# KiCad board HPM6E00FULLPORTRevB.kicad_pcb (continued)
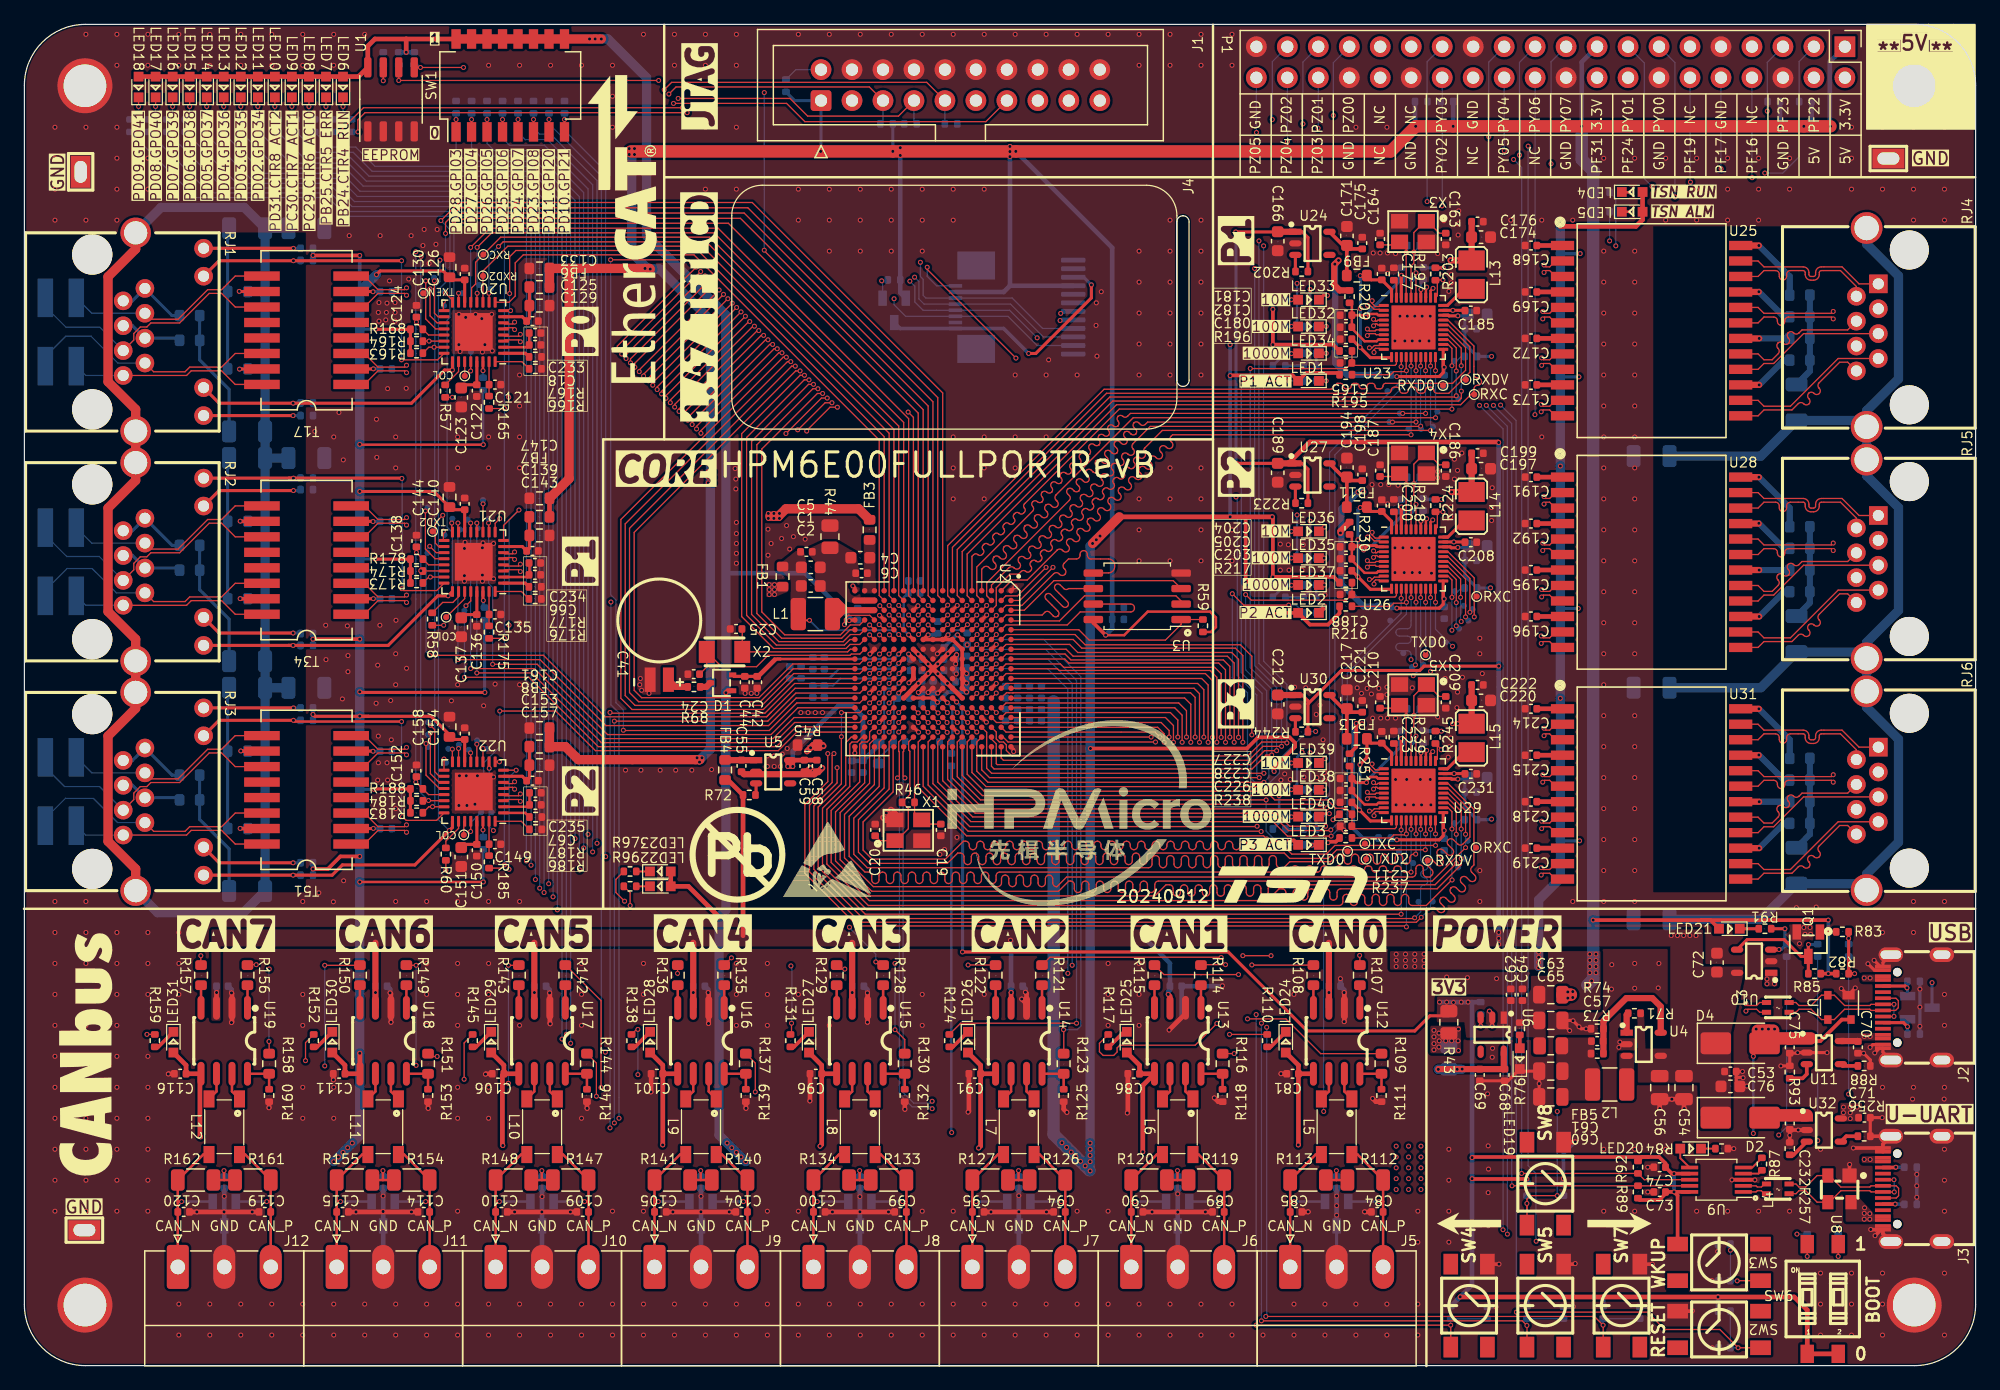
[diagram p0: board, top side]
## Routing (per net, layer and track width the routed paths; a pad name or vN(x,y) marks a point on that pad's centre or on a via; arc(x,y) is an arc through that point) (continued)
/HPM6E00 FULL PORT MAINENTRY/24-TSN-P1/MDI1N: length 18.8
  Top w0.102: v1(124.51,85.85) 124.66,86 125.07,86 125.55,85.52 U25.6 ; 111.61,85.35 110.99,85.35 110.9,85.43 110.78,85.43 v1(110.63,85.28)
  POWER3 w0.102: v1(110.63,85.28) 110.75,85.39 120.51,85.39 arc(120.92,85.56) 121.09,85.97 121.09,86.27 arc(121.17,86.47) 121.36,86.55 arc(121.56,86.47) 121.64,86.27 121.64,85.97 arc(121.81,85.56) 122.21,85.39 122.77,85.39 123.37,86 124.35,86 v1(124.51,85.85)
/HPM6E00 FULL PORT MAINENTRY/24-TSN-P1/MDI1P: length 18.8
  Top w0.102: U25.5 125.55,86.79 125.07,86.3 124.66,86.3 v1(124.51,86.46) ; v1(110.63,85.81) 110.78,85.66 110.9,85.66 110.99,85.75 111.61,85.75
  POWER3 w0.102: v1(110.63,85.81) 110.75,85.7 120.51,85.7 arc(120.71,85.78) 120.79,85.97 120.79,86.27 arc(120.96,86.68) 121.36,86.85 arc(121.77,86.68) 121.94,86.27 121.94,85.97 arc(122.02,85.78) 122.21,85.7 122.64,85.7 123.25,86.3 124.35,86.3 v1(124.51,86.46)
/HPM6E00 FULL PORT MAINENTRY/24-TSN-P1/MDI2N: length 18.8
  Top w0.102: v1(124.41,82.04) 124.57,82.19 125.07,82.19 125.55,81.71 U25.9 ; U23.7 110.85,84.55 110.76,84.63 110.28,84.63 v1(110.12,84.48)
  POWER3 w0.102: v1(124.41,82.04) 124.26,82.19 123.62,82.19 121.21,84.6 110.24,84.6 v1(110.12,84.48)
/HPM6E00 FULL PORT MAINENTRY/24-TSN-P1/MDI2P: length 18.8
  Top w0.102: v1(124.41,82.65) 124.57,82.49 125.07,82.49 125.55,82.98 U25.8 ; U23.6 110.85,84.95 110.76,84.86 110.28,84.86 v1(110.12,85.02)
  POWER3 w0.102: v1(124.41,82.65) 124.26,82.49 123.75,82.49 121.34,84.9 110.24,84.9 v1(110.12,85.02)
/HPM6E00 FULL PORT MAINENTRY/24-TSN-P1/MDI3N: length 18.9
  Top w0.102: v1(124.38,78.23) 124.53,78.38 125.07,78.38 125.55,77.9 ; v1(110.67,83.1) 110.67,83.31 110.79,83.43 111.1,83.43 111.18,83.35 U23.10
  POWER3 w0.102: v1(110.67,83.1) 110.74,83.17 118.91,83.17 121.07,81 arc(121.14,80.84) 121.07,80.67 arc(121,80.51) 121.07,80.34 121.16,80.25 arc(121.33,80.18) 121.5,80.25 arc(121.66,80.32) 121.83,80.25 123.7,78.38 124.23,78.38 v1(124.38,78.23)
/HPM6E00 FULL PORT MAINENTRY/24-TSN-P1/MDI3P: length 19.4
  Top w0.102: v1(110.29,83.47) 110.51,83.47 110.7,83.66 111.1,83.66 111.18,83.75 U23.9 ; v1(124.38,78.84) 124.53,78.68 125.07,78.68 125.55,79.17 U25.11
  POWER3 w0.102: v1(124.38,78.84) 124.23,78.68 123.82,78.68 119.03,83.47 v1(110.29,83.47)
/HPM6E00 FULL PORT MAINENTRY/24-TSN-P1/REGOUT: length 2.9
  Top w0.254: 118.67,88.23 117.98,88.23 116.69,86.95 U23.30
/HPM6E00 FULL PORT MAINENTRY/25-TSN-P2/G1_DA+: length 13.1
  Top w0.102: RJ5.1 150.44,69.72 149.04,71.12 147.35,71.12 arc(147.02,70.98) 146.88,70.65 146.88,70.49 arc(146.83,70.38) 146.71,70.33 146.5,70.33 arc(146.38,70.38) 146.33,70.49 146.33,70.65 arc(146.19,70.98) 145.86,71.12 142.64,71.12 142.16,71.6 U28.23
/HPM6E00 FULL PORT MAINENTRY/25-TSN-P2/G1_DA-: length 13.1
  Top w0.102: U28.22 142.16,70.33 142.64,70.81 143.6,70.81 arc(143.81,70.72) 143.9,70.51 143.9,70.34 arc(143.99,70.13) 144.2,70.04 arc(144.41,70.13) 144.5,70.34 144.5,70.51 arc(144.59,70.72) 144.8,70.81 145.86,70.81 arc(145.98,70.76) 146.03,70.65 146.03,70.49 arc(146.17,70.16) 146.5,70.02 146.71,70.02 arc(147.04,70.16) 147.18,70.49 147.18,70.65 arc(147.23,70.76) 147.35,70.81 148.92,70.81 150.22,69.51 RJ5.2
/HPM6E00 FULL PORT MAINENTRY/25-TSN-P2/G1_DB+: length 11.6
  Top w0.102: U28.20 142.16,67.79 142.64,67.31 148.17,67.31 v1(148.33,67.46)
  POWER3 w0.102: RJ5.3 148.55,67.68 v1(148.33,67.46)
/HPM6E00 FULL PORT MAINENTRY/25-TSN-P2/G1_DB-: length 11.7
  Top w0.102: U28.19 142.16,66.52 142.64,67 143.45,67 arc(143.66,66.91) 143.75,66.7 143.75,66.63 arc(143.84,66.42) 144.05,66.33 arc(144.26,66.42) 144.35,66.63 144.35,66.7 arc(144.44,66.91) 144.65,67 148.17,67 v1(148.33,66.85)
  POWER3 w0.102: RJ5.6 150.22,64.95 148.33,66.85 v1(148.33,66.85)
/HPM6E00 FULL PORT MAINENTRY/25-TSN-P2/G1_DC+: length 12.5
  Top w0.102: U28.17 142.16,63.98 142.64,63.5 143.31,63.5 143.81,63.99 arc(143.9,64.21) 143.81,64.42 143.79,64.44 arc(143.7,64.65) 143.79,64.87 arc(144,64.95) 144.21,64.87 144.24,64.84 arc(144.45,64.76) 144.66,64.84 arc(144.75,65.06) 144.66,65.27 144.64,65.29 arc(144.55,65.5) 144.64,65.72 arc(144.85,65.8) 145.06,65.72 145.08,65.69 arc(145.3,65.6) 145.51,65.69 145.76,65.95 149.51,65.95 RJ5.4
/HPM6E00 FULL PORT MAINENTRY/25-TSN-P2/G1_DC-: length 12.5
  Top w0.102: U28.16 142.16,62.71 142.64,63.19 143.44,63.19 145.89,65.64 RJ5.5
/HPM6E00 FULL PORT MAINENTRY/25-TSN-P2/G1_DD+: length 13.1
  Top w0.102: RJ5.7 148.73,63.6 144.81,59.69 142.64,59.69 142.16,60.17 U28.14
/HPM6E00 FULL PORT MAINENTRY/25-TSN-P2/G1_DD-: length 13.1
  Top w0.102: RJ5.8 149.51,63.3 148.85,63.3 147.16,61.6 arc(147.07,61.39) 147.16,61.18 147.18,61.15 arc(147.27,60.94) 147.18,60.73 arc(146.97,60.64) 146.76,60.73 146.73,60.75 arc(146.52,60.84) 146.31,60.75 arc(146.22,60.54) 146.31,60.33 146.33,60.31 arc(146.42,60.09) 146.33,59.88 arc(146.12,59.79) 145.91,59.88 145.89,59.91 arc(145.67,59.99) 145.46,59.91 144.94,59.38 142.64,59.38 142.16,58.9 U28.13
/HPM6E00 FULL PORT MAINENTRY/25-TSN-P2/LED0: length 10.6
  Top w0.203: v1(115.48,69.36) 115.31,69.18 U26.32 ; v1(106.62,68.78) 106.5,68.78 LED36.1
  POWER3 w0.203: v1(115.48,69.36) 114.9,68.78 v1(106.62,68.78)
/HPM6E00 FULL PORT MAINENTRY/25-TSN-P2/LED1: length 16.4
  Top w0.203: v1(114.99,69.46) 114.92,69.4 114.92,68.61 U26.33 ; LED35.2 103.91,66.22 v1(103.9,66.24)
  POWER3 w0.203: v1(114.99,69.46) 114.68,69.77 v1(104.36,69.77)
  Bottom w0.203: v1(104.36,69.77) 104.36,66.69 v1(103.9,66.24) 103.41,66.24 R221.1
/HPM6E00 FULL PORT MAINENTRY/25-TSN-P2/LED2: length 19.2
  Top w0.203: v1(114.52,69.26) 114.51,69.25 U26.34
  POWER3 w0.203: v1(105.43,69.26) v1(114.52,69.26)
  Bottom w0.203: v1(114.52,69.26) 114.52,69.83 114.71,70.02 ; R219.1 104.91,63.01 R228.2 ; v1(105.43,69.26) 105.43,63.54 104.89,63.01 104.31,63.01
/HPM6E00 FULL PORT MAINENTRY/25-TSN-P2/MDI0N: length 19
  Top w0.102: v1(124.61,70.66) 124.76,70.81 125.07,70.81 125.55,70.33 U28.3 ; U26.2 111.18,67.55 111.1,67.64 110.68,67.64 110.35,67.96 v1(110.14,67.96)
  POWER3 w0.102: v1(124.61,70.66) 124.46,70.81 123.25,70.81 120.4,67.96 v1(110.14,67.96)
/HPM6E00 FULL PORT MAINENTRY/25-TSN-P2/MDI0P: length 19
  Top w0.102: U28.2 125.55,71.6 125.07,71.12 124.76,71.12 v1(124.61,71.27) ; U26.1 111.18,67.95 111.1,67.87 110.77,67.87 110.52,68.12 v1(110.52,68.34)
  POWER3 w0.102: v1(110.52,68.34) 110.59,68.27 120.27,68.27 121.48,69.47 arc(121.55,69.64) 121.48,69.81 arc(121.41,69.97) 121.48,70.14 121.57,70.23 arc(121.74,70.3) 121.9,70.23 arc(122.07,70.16) 122.23,70.23 123.12,71.12 124.46,71.12 v1(124.61,71.27)
/HPM6E00 FULL PORT MAINENTRY/25-TSN-P2/MDI1N: length 18.8
  Top w0.102: 111.61,66.35 110.99,66.35 110.9,66.44 110.78,66.44 v1(110.63,66.28) ; v1(124.51,66.85) 124.66,67 125.07,67 125.55,66.52 U28.6
  POWER3 w0.102: v1(110.63,66.28) 110.75,66.4 120.51,66.4 arc(120.92,66.57) 121.09,66.98 121.09,67.28 arc(121.17,67.47) 121.36,67.55 arc(121.56,67.47) 121.64,67.28 121.64,66.98 arc(121.81,66.57) 122.21,66.4 122.77,66.4 123.37,67 124.35,67 v1(124.51,66.85)
/HPM6E00 FULL PORT MAINENTRY/25-TSN-P2/MDI1P: length 18.8
  Top w0.102: U28.5 125.55,67.79 125.07,67.31 124.66,67.31 v1(124.51,67.46) ; v1(110.63,66.82) 110.78,66.66 110.9,66.66 110.99,66.75 111.61,66.75
  POWER3 w0.102: v1(124.51,67.46) 124.35,67.31 123.25,67.31 122.64,66.7 122.21,66.7 arc(122.02,66.78) 121.94,66.98 121.94,67.28 arc(121.77,67.69) 121.36,67.85 arc(120.96,67.69) 120.79,67.28 120.79,66.98 arc(120.71,66.78) 120.51,66.7 110.75,66.7 v1(110.63,66.82)
/HPM6E00 FULL PORT MAINENTRY/25-TSN-P2/MDI2N: length 18.8
  Top w0.102: U26.7 110.85,65.55 110.76,65.64 110.28,65.64 v1(110.12,65.49) ; v1(124.41,63.04) 124.57,63.19 125.07,63.19 125.55,62.71 U28.9
  POWER3 w0.102: v1(124.41,63.04) 124.26,63.19 123.62,63.19 121.21,65.6 110.24,65.6 v1(110.12,65.49)
/HPM6E00 FULL PORT MAINENTRY/25-TSN-P2/MDI2P: length 18.8
  Top w0.102: v1(110.12,66.02) 110.28,65.87 110.76,65.87 110.85,65.95 U26.6 ; U28.8 125.55,63.98 125.07,63.5 124.57,63.5 v1(124.41,63.65)
  POWER3 w0.102: v1(124.41,63.65) 124.26,63.5 123.75,63.5 121.34,65.9 110.24,65.9 v1(110.12,66.02)
/HPM6E00 FULL PORT MAINENTRY/25-TSN-P2/MDI3N: length 18.9
  Top w0.102: 125.55,58.9 125.07,59.38 124.53,59.38 v1(124.38,59.23) ; v1(110.67,64.1) 110.67,64.32 110.79,64.44 111.1,64.44 111.18,64.35 U26.10
  POWER3 w0.102: v1(110.67,64.1) 110.74,64.17 118.91,64.17 121.07,62.01 arc(121.14,61.84) 121.07,61.68 arc(121,61.51) 121.07,61.34 121.16,61.25 arc(121.33,61.18) 121.5,61.25 arc(121.66,61.32) 121.83,61.25 123.7,59.38 124.23,59.38 v1(124.38,59.23)
/HPM6E00 FULL PORT MAINENTRY/25-TSN-P2/MDI3P: length 19.4
  Top w0.102: U28.11 125.55,60.17 125.07,59.69 124.53,59.69 v1(124.38,59.84) ; v1(110.29,64.48) 110.51,64.48 110.7,64.67 111.1,64.67 111.18,64.75 U26.9
  POWER3 w0.102: v1(110.29,64.48) 119.03,64.48 123.82,59.69 124.23,59.69 v1(124.38,59.84)
/HPM6E00 FULL PORT MAINENTRY/25-TSN-P2/REGOUT: length 2.9
  Top w0.254: L14.1 118.08,69.31 116.72,67.95 U26.30
/HPM6E00 FULL PORT MAINENTRY/26-TSN-P3/G1_DA+: length 13.1
  Top w0.102: U31.23 142.16,52.6 142.64,52.12 145.86,52.12 arc(146.19,51.98) 146.33,51.65 146.33,51.5 arc(146.38,51.38) 146.5,51.33 146.71,51.33 arc(146.83,51.38) 146.88,51.5 146.88,51.65 arc(147.02,51.98) 147.35,52.12 149.04,52.12 150.44,50.72 RJ6.1
/HPM6E00 FULL PORT MAINENTRY/26-TSN-P3/G1_DA-: length 13.1
  Top w0.102: RJ6.2 150.22,50.51 148.92,51.81 147.35,51.81 arc(147.23,51.77) 147.18,51.65 147.18,51.5 arc(147.04,51.16) 146.71,51.03 146.5,51.03 arc(146.17,51.16) 146.03,51.5 146.03,51.65 arc(145.98,51.77) 145.86,51.81 144.8,51.81 arc(144.59,51.73) 144.5,51.51 144.5,51.34 arc(144.41,51.13) 144.2,51.04 arc(143.99,51.13) 143.9,51.34 143.9,51.51 arc(143.81,51.73) 143.6,51.81 142.64,51.81 142.16,51.33 U31.22
/HPM6E00 FULL PORT MAINENTRY/26-TSN-P3/G1_DB+: length 11.6
  Top w0.102: U31.20 142.16,48.79 142.64,48.31 148.17,48.31 v1(148.33,48.46)
  POWER3 w0.102: RJ6.3 148.55,48.68 v1(148.33,48.46)
/HPM6E00 FULL PORT MAINENTRY/26-TSN-P3/G1_DB-: length 11.7
  Top w0.102: v1(148.33,47.85) 148.17,48 144.65,48 arc(144.44,47.92) 144.35,47.7 144.35,47.63 arc(144.26,47.42) 144.05,47.33 arc(143.84,47.42) 143.75,47.63 143.75,47.7 arc(143.66,47.92) 143.45,48 142.64,48 142.16,47.52 U31.19
  POWER3 w0.102: v1(148.33,47.85) 148.33,47.85 150.22,45.95 RJ6.6
/HPM6E00 FULL PORT MAINENTRY/26-TSN-P3/G1_DC+: length 12.5
  Top w0.102: RJ6.4 149.51,46.95 145.76,46.95 145.51,46.69 arc(145.3,46.6) 145.08,46.69 145.06,46.72 arc(144.85,46.8) 144.64,46.72 arc(144.55,46.5) 144.64,46.29 144.66,46.27 arc(144.75,46.06) 144.66,45.84 arc(144.45,45.76) 144.24,45.84 144.21,45.87 arc(144,45.96) 143.79,45.87 arc(143.7,45.66) 143.79,45.44 143.81,45.42 arc(143.9,45.21) 143.81,45 143.31,44.5 142.64,44.5 142.16,44.98 U31.17
/HPM6E00 FULL PORT MAINENTRY/26-TSN-P3/G1_DC-: length 12.5
  Top w0.102: U31.16 142.16,43.71 142.64,44.19 143.44,44.19 145.89,46.64 RJ6.5
/HPM6E00 FULL PORT MAINENTRY/26-TSN-P3/G1_DD+: length 13.1
  Top w0.102: RJ6.7 148.73,44.6 144.81,40.69 142.64,40.69 142.16,41.17 U31.14
/HPM6E00 FULL PORT MAINENTRY/26-TSN-P3/G1_DD-: length 13.1
  Top w0.102: U31.13 142.16,39.9 142.64,40.38 144.94,40.38 145.46,40.91 arc(145.67,40.99) 145.89,40.91 145.91,40.88 arc(146.12,40.79) 146.33,40.88 arc(146.42,41.09) 146.33,41.31 146.31,41.33 arc(146.22,41.54) 146.31,41.76 arc(146.52,41.84) 146.73,41.76 146.76,41.73 arc(146.97,41.64) 147.18,41.73 arc(147.27,41.94) 147.18,42.16 147.16,42.18 arc(147.07,42.39) 147.16,42.6 148.85,44.3 149.51,44.3 RJ6.8
/HPM6E00 FULL PORT MAINENTRY/26-TSN-P3/LED0: length 10.6
  Top w0.203: LED39.1 106.5,49.78 v1(106.67,49.78) ; U29.32 115.31,50.18 v1(115.48,50.36)
  POWER3 w0.203: v1(106.67,49.78) 114.9,49.78 v1(115.48,50.36)
/HPM6E00 FULL PORT MAINENTRY/26-TSN-P3/LED1: length 15.9
  Top w0.203: U29.33 114.92,49.61 114.92,50.4 v1(114.99,50.46) ; LED38.2 103.91,47.22 v1(103.9,47.24)
  POWER3 w0.203: v1(114.99,50.46) 114.68,50.77 105.23,50.77 v1(104.76,50.31)
  Bottom w0.203: R242.1 103.41,47.24 v1(103.9,47.24) 104.36,47.69 104.36,49.9 v1(104.76,50.31)
/HPM6E00 FULL PORT MAINENTRY/26-TSN-P3/LED2: length 19.2
  Top w0.203: U29.34 114.51,50.25 v1(114.52,50.26)
  POWER3 w0.203: v1(105.43,50.26) v1(114.52,50.26)
  Bottom w0.203: 104.31,44.01 104.89,44.01 105.43,44.54 v1(105.43,50.26) ; v1(114.52,50.26) 114.52,50.83 114.71,51.02 ; R240.1 104.91,44.01 R249.2
/HPM6E00 FULL PORT MAINENTRY/26-TSN-P3/MDI0N: length 19
  Top w0.102: U31.3 125.55,51.33 125.07,51.81 124.76,51.81 v1(124.61,51.66) ; U29.2 111.18,48.55 111.1,48.64 110.68,48.64 110.35,48.96 v1(110.14,48.96)
  POWER3 w0.102: v1(110.14,48.96) 120.4,48.96 123.25,51.81 124.46,51.81 v1(124.61,51.66)
/HPM6E00 FULL PORT MAINENTRY/26-TSN-P3/MDI0P: length 19
  Top w0.102: v1(110.52,49.34) 110.52,49.12 110.77,48.87 111.1,48.87 111.18,48.95 U29.1 ; v1(124.61,52.27) 124.76,52.12 125.07,52.12 125.55,52.6 U31.2
  POWER3 w0.102: v1(110.52,49.34) 110.59,49.27 120.27,49.27 121.48,50.47 arc(121.55,50.64) 121.48,50.81 arc(121.41,50.97) 121.48,51.14 121.57,51.23 arc(121.74,51.3) 121.9,51.23 arc(122.07,51.16) 122.23,51.23 123.12,52.12 124.46,52.12 v1(124.61,52.27)
/HPM6E00 FULL PORT MAINENTRY/26-TSN-P3/MDI1N: length 18.8
  Top w0.102: 111.61,47.35 110.99,47.35 110.9,47.44 110.78,47.44 v1(110.63,47.28) ; U31.6 125.55,47.52 125.07,48 124.66,48 v1(124.51,47.85)
  POWER3 w0.102: v1(124.51,47.85) 124.35,48 123.37,48 122.77,47.4 122.21,47.4 arc(121.81,47.57) 121.64,47.98 121.64,48.28 arc(121.56,48.47) 121.36,48.55 arc(121.17,48.47) 121.09,48.28 121.09,47.98 arc(120.92,47.57) 120.51,47.4 110.75,47.4 v1(110.63,47.28)
/HPM6E00 FULL PORT MAINENTRY/26-TSN-P3/MDI1P: length 18.8
  Top w0.102: v1(110.63,47.82) 110.78,47.67 110.9,47.67 110.99,47.75 111.61,47.75 ; v1(124.51,48.46) 124.66,48.31 125.07,48.31 125.55,48.79 U31.5
  POWER3 w0.102: v1(110.63,47.82) 110.75,47.7 120.51,47.7 arc(120.71,47.78) 120.79,47.98 120.79,48.28 arc(120.96,48.69) 121.36,48.86 arc(121.77,48.69) 121.94,48.28 121.94,47.98 arc(122.02,47.78) 122.21,47.7 122.64,47.7 123.25,48.31 124.35,48.31 v1(124.51,48.46)
/HPM6E00 FULL PORT MAINENTRY/26-TSN-P3/MDI2N: length 18.8
  Top w0.102: U31.9 125.55,43.71 125.07,44.19 124.57,44.19 v1(124.41,44.04) ; v1(110.12,46.49) 110.28,46.64 110.76,46.64 110.85,46.55 U29.7
  POWER3 w0.102: v1(110.12,46.49) 110.24,46.6 121.21,46.6 123.62,44.19 124.26,44.19 v1(124.41,44.04)
/HPM6E00 FULL PORT MAINENTRY/26-TSN-P3/MDI2P: length 18.8
  Top w0.102: U31.8 125.55,44.98 125.07,44.5 124.57,44.5 v1(124.41,44.65) ; U29.6 110.85,46.95 110.76,46.87 110.28,46.87 v1(110.12,47.02)
  POWER3 w0.102: v1(110.12,47.02) 110.24,46.91 121.34,46.91 123.75,44.5 124.26,44.5 v1(124.41,44.65)
/HPM6E00 FULL PORT MAINENTRY/26-TSN-P3/MDI3N: length 18.9
  Top w0.102: 125.55,39.9 125.07,40.38 124.53,40.38 v1(124.38,40.23) ; U29.10 111.18,45.35 111.1,45.44 110.79,45.44 110.67,45.32 v1(110.67,45.1)
  POWER3 w0.102: v1(124.38,40.23) 124.23,40.38 123.7,40.38 121.83,42.25 arc(121.66,42.32) 121.5,42.25 arc(121.33,42.18) 121.16,42.25 121.07,42.34 arc(121,42.51) 121.07,42.68 arc(121.14,42.84) 121.07,43.01 118.91,45.17 110.74,45.17 v1(110.67,45.1)
/HPM6E00 FULL PORT MAINENTRY/26-TSN-P3/MDI3P: length 19.4
  Top w0.102: U31.11 125.55,41.17 125.07,40.69 124.53,40.69 v1(124.38,40.84) ; U29.9 111.18,45.75 111.1,45.67 110.7,45.67 110.51,45.48 v1(110.29,45.48)
  POWER3 w0.102: v1(110.29,45.48) 119.03,45.48 123.82,40.69 124.23,40.69 v1(124.38,40.84)
/HPM6E00 FULL PORT MAINENTRY/26-TSN-P3/REGOUT: length 2.9
  Top w0.254: 118.67,50.24 117.98,50.24 116.7,48.95 U29.30
/HPM6E00 FULL PORT MAINENTRY/PA0: length 160.6
  Top w0.102: v1(73.29,60.75) U2.K4 ; v1(62.45,76.44) 65.36,79.35 v1(65.83,79.35) ; v1(121.99,14.75) 132.31,14.75 R89.1 132.32,14.75 U9.9
  POWER3 w0.102: v1(62.45,76.44) 62.45,76.42 73.7,65.17 U2.K4 v1(73.29,60.75) ; v1(65.83,79.35) 112.91,79.35 112.95,79.39 116.58,79.39 117.52,80.33 118.89,80.33 v1(120.46,78.76)
  Bottom w0.102: v1(121.99,14.75) 121.96,14.77 121.96,77.26 v1(120.46,78.76)
/HPM6E00 FULL PORT MAINENTRY/PA1: length 205.1
  Top w0.102: v1(73.32,59.96) 73.32,59.97 U2.K5 ; v1(61.73,83.4) 61.48,83.4 55.12,77.04 v1(55.12,76.82) ; v1(122.77,15.76) 132.31,15.76 R92.1 132.83,15.25 U9.8
  POWER3 w0.102: v1(61.73,83.4) 61.77,83.43 76.57,83.43 92.06,98.92 v1(122.11,98.92) ; v1(73.32,59.96) 72.91,60.37 70.7,60.37 70.5,60.57 70.5,60.87 70.22,61.15 69.99,61.15 68.9,62.25 60.37,62.25 55.11,67.5 55.11,76.81 v1(55.12,76.82)
  Bottom w0.102: v1(122.11,98.92) 122.77,98.26 v1(122.77,15.76)
/HPM6E00 FULL PORT MAINENTRY/PA2: length 171.5
  Top w0.102: v1(66.22,78.97) 65.66,78.97 63.44,76.75 v1(63.41,76.75) ; v1(74.11,61.56) 74.5,61.17 U2.J4
  POWER3 w0.102: v1(74.11,61.56) 74.51,61.97 74.51,65.65 v1(63.41,76.75) ; v1(66.22,78.97) 66.23,78.96 112.81,78.96 113.03,79.19 117.56,79.19 117.6,79.22 119.41,79.22 v1(119.88,78.76) ; v1(121.61,10.78) 121.61,10.79 v1(145.35,10.79)
  Bottom w0.102: v1(119.88,78.76) 121.61,77.03 v1(121.61,10.78) ; v1(145.35,10.79) R98.2
/HPM6E00 FULL PORT MAINENTRY/PA3: length 173.5
  Top w0.102: v1(66.66,78.6) 66.06,78.6 64.15,76.69 v1(64.15,76.65) ; v1(74.11,60.75) 74.5,60.35 U2.J5
  POWER3 w0.102: v1(148.73,11.17) 148.71,11.14 121.25,11.14 v1(121.25,11.14) ; v1(74.11,60.75) 74.77,61.41 74.77,66.03 v1(64.15,76.65) ; v1(119.32,78.76) 119.24,78.83 112.97,78.83 112.74,78.6 v1(66.66,78.6)
  Bottom w0.102: v1(119.32,78.76) 121.25,76.82 121.25,11.15 v1(121.25,11.14) ; R99.2 148.73,10.79 v1(148.73,11.17)
/HPM6E00 FULL PORT MAINENTRY/PA4: length 79.7
  Top w0.102: 80.57,103.75 78.84,102.02 64,102.02 62.5,103.52 55.03,103.52 55.03,103.52 v1(53.23,103.52) ; U2.H3 75.71,62.36 v1(75.71,62.37)
  POWER3 w0.102: v1(75.71,62.37) 75.71,67 53.23,89.47 53.23,103.52 v1(53.23,103.52)
/HPM6E00 FULL PORT MAINENTRY/PA5: length 73
  Top w0.102: v1(52.85,104.28) 53.43,104.87 69.29,104.87 70.41,103.75 ; v1(75.71,61.56) U2.H4
  POWER3 w0.102: v1(75.71,61.56) 75.3,61.97 75.3,66.74 52.85,89.19 v1(52.85,104.28)
  Bottom w0.102: R55.2 70.41,102.06 70.41,103.75
/HPM6E00 FULL PORT MAINENTRY/PA6: length 79.9
  Top w0.102: U2.H5 75.71,60.76 v1(75.71,60.77) ; v1(52.47,104.64) 53.08,105.25 73.99,105.25 J1.9
  POWER3 w0.102: v1(52.47,104.64) 52.44,104.61 52.44,88.99 75.05,66.39 75.05,61.43 v1(75.71,60.77)
  Bottom w0.102: R53.2 75.49,101.85 J1.9
/HPM6E00 FULL PORT MAINENTRY/PA7: length 75.7
  Top w0.102: J1.7 71.68,102.48 64.23,102.48 62.78,103.93 v1(53.61,103.93) ; v1(76.52,60.77) U2.G5
  POWER3 w0.102: v1(53.61,103.93) 53.61,89.75 76.14,67.22 76.14,61.15 v1(76.52,60.77)
  Bottom w0.102: J1.7 72.95,102.07 R54.2
/HPM6E00 FULL PORT MAINENTRY/PA8: length 54.2
  Top w0.102: U2.K1 73.7,78.4 60.67,91.43 v1(60.67,91.48)
  POWER3 w0.102: J1.3 66.62,104.99 61.25,104.99 v1(60.67,104.41)
  Bottom w0.102: v1(60.67,91.48) v1(60.67,104.41)
/HPM6E00 FULL PORT MAINENTRY/PA9: length 112.4
  Top w0.102: R175.2 39.35,59.65 v1(39.36,59.65) ; v1(39.36,78.5) 39.35,78.49 R165.2 ; v1(39.36,93.69) 57.72,93.69 73.29,78.12 73.29,63.16 U2.K2 ; v1(39.36,41.06) 39.1,40.8 R185.2
  Bottom w0.102: v1(39.36,41.06) v1(39.36,93.69)
/HPM6E00 FULL PORT MAINENTRY/PA10: length 109
  Top w0.102: v1(73.29,61.56) 73.31,61.56 U2.K3 ; C124.1 v1(32.15,85.59) 32.15,85.52 R168.2 33.14,84.52 U20.21 ; U22.21 33.14,46.83 R188.2 32.66,47.3 v1(32.1,47.87) 32.1,48.25 C152.1 ; U21.21 33.14,65.68 R178.2 32.15,66.67 v1(32.15,66.69) C138.1
  POWER3 w0.102: v1(32.1,91.35) 46.8,91.35 72.89,65.27 72.89,62.19 73.29,61.79 v1(73.29,61.56)
  Bottom w0.102: v1(32.1,47.87) v1(32.1,91.35)
/HPM6E00 FULL PORT MAINENTRY/PA11: length 97.1
  Top w0.102: U2.J1 74.5,79.05 59.02,94.53 35.88,94.53 v1(35.22,93.87)
  Top w0.254: U20.25 35.1,81.66 v1(35.09,81.65) 34.46,81.65 31.74,78.93 v1(22.04,78.93) 15.97,78.93 RJ1.11
  Bottom w0.102: v1(35.22,93.87) 35.22,81.78 v1(35.09,81.65)
  Bottom w0.254: v1(22.04,78.93) 22.64,78.93
/HPM6E00 FULL PORT MAINENTRY/PA12: length 78.4
  Top w0.102: v1(36.01,106.47) 31.98,106.47 U1.5 32.47,106.48 v1(32.48,106.47) ; U2.J2 74.11,63.15 74.11,78.7 58.71,94.1 36.24,94.1 v1(36.01,93.87)
  POWER3 w0.102: v1(36.01,93.87) v1(36.01,106.47)
  Bottom w0.102: v1(32.48,106.47) 32.25,106.69 R41.2
/HPM6E00 FULL PORT MAINENTRY/PA13: length 76.4
  Top w0.102: v1(52.01,105.4) v1(30.7,105.4) U1.6 ; U2.J3 74.5,61.95 v1(74.11,62.35)
  POWER3 w0.102: v1(74.11,62.35) 74.11,65.42 52.01,87.52 v1(52.01,105.4)
  Bottom w0.102: R39.2 v1(30.7,105.4)
/HPM6E00 FULL PORT MAINENTRY/PA14: length 119.2
  Top w0.102: v1(34.15,93.91) 35.64,95.39 59.68,95.39 75.3,79.77 U2.H1
  Top w0.254: U21.25 v1(34.75,63.13) 33.9,63.13 29.83,59.07 21.66,59.07 ; RJ2.12 21.66,59.07 ; 21.66,59.07 v1(22.04,59.07)
  Bottom w0.102: v1(34.15,93.91) 34.89,93.17 34.89,85.97 34.66,85.74 34.66,68.77 35.09,68.34 35.09,63.48 v1(34.75,63.13)
  Bottom w0.254: v1(22.04,59.07) R5.1
/HPM6E00 FULL PORT MAINENTRY/PA15: length 137.7
  Top w0.102: U2.H2 74.89,63.16 74.89,79.39 59.32,94.96 35.74,94.96 34.53,93.75 v1(34.53,92.85)
  Top w0.254: RJ3.12 v1(22.04,40.22) 25.24,40.22 26.08,41.06 32.02,41.06 v1(34.84,43.88) 35.1,44.15 U22.25
  Bottom w0.102: v1(34.53,92.85) 34.53,88.84 33.95,88.25 33.95,44.77 v1(34.84,43.88)
  Bottom w0.254: v1(22.04,40.22) R9.1
/HPM6E00 FULL PORT MAINENTRY/PA16: length 67.3
  Top w0.102: R57.2 34.51,79.42 v1(35.09,79.42) ; v1(39.87,86.52) U20.8 ; U2.P1 70.5,76.19 55.23,91.46 40.3,91.46 39.79,90.95 v1(39.79,87.92)
  POWER3 w0.102: v1(39.72,79.42) v1(35.09,79.42)
  Bottom w0.102: v1(39.72,79.42) 39.72,86.37 v1(39.87,86.52) 39.79,86.6 v1(39.79,87.92)
/HPM6E00 FULL PORT MAINENTRY/PA17: length 54.3
  Top w0.102: U2.P2 70.09,63.16 70.09,75.91 54.9,91.1 40.91,91.1 40.25,90.44 40.25,87.72 39.74,87.21 U20.9
/HPM6E00 FULL PORT MAINENTRY/PA18: length 57.1
  Top w0.102: U20.10 38.1,87.94 v1(38.09,87.95) ; U2.N1 71.3,76.79 55.92,92.17 39.26,92.17 v1(38.88,91.79)
  Bottom w0.102: v1(38.09,87.95) 38.09,91 v1(38.88,91.79)
/HPM6E00 FULL PORT MAINENTRY/PA19: length 56.9
  Top w0.102: U2.N2 70.91,63.15 70.91,76.47 55.57,91.81 39.64,91.81 37.6,89.77 U20.11
/HPM6E00 FULL PORT MAINENTRY/PA20: length 60.2
  Top w0.102: U2.M1 72.1,77.36 56.56,92.9 38.32,92.9 37.12,91.71 v1(37.12,91.71) ; v1(37.12,87.95) 37.1,87.93 U20.12
  Bottom w0.102: v1(37.12,87.95) v1(37.12,91.71)
/HPM6E00 FULL PORT MAINENTRY/PA21: length 59.9
  Top w0.102: U20.13 36.67,87.28 36.67,88.38 37,88.71 37,90.49 RXC.1 39.06,92.55 56.2,92.55 71.69,77.05 71.69,63.16 U2.M2
/HPM6E00 FULL PORT MAINENTRY/PA22: length 94.2
  Top w0.102: U2.L1 72.9,77.77 v1(72.47,78.21)
  POWER3 w0.102: v1(72.47,78.21) 72.48,78.2 112.62,78.2 112.87,78.45 115.48,78.45 115.84,78.09 123.76,78.09 v1(123.87,77.99)
  Bottom w0.102: P1.22 123.88,78.01 v1(123.87,77.99)
/HPM6E00 FULL PORT MAINENTRY/PA23: length 69
  Top w0.102: U20.28 36.6,81.59 v1(36.59,81.57) ; U2.L2 72.51,63.15 72.51,77.66 56.89,93.28 38.17,93.28 v1(36.59,91.71)
  Bottom w0.102: v1(36.59,81.57) v1(36.59,91.71)
/HPM6E00 FULL PORT MAINENTRY/PA24: length 46.8
  Top w0.102: v1(70.14,62.32) 70.5,61.97 U2.P3 ; v1(35.6,87.95) 35.6,87.21 U20.15
  POWER3 w0.102: v1(35.6,87.95) 36.08,88.43 44.03,88.43 v1(70.14,62.32)
/HPM6E00 FULL PORT MAINENTRY/PA25: length 49.9
  Top w0.102: U20.16 35.1,87.38 v1(34.52,87.96) ; U2.N3 v1(70.91,62.35)
  POWER3 w0.102: v1(70.91,62.35) 70.91,62.88 44.62,89.17 35.73,89.17 v1(34.52,87.96)
/HPM6E00 FULL PORT MAINENTRY/PA26: length 50.2
  Top w0.102: U20.17 34.36,86.58 v1(34.36,87.29) ; U2.N4 71.3,61.17 v1(70.91,61.56)
  POWER3 w0.102: v1(34.36,87.29) 35.88,88.81 44.31,88.81 70.53,62.6 70.53,62.14 70.91,61.76 v1(70.91,61.56)
/HPM6E00 FULL PORT MAINENTRY/PA27: length 54.7
  Top w0.102: v1(71.69,62.35) 72.09,61.95 U2.M3 ; v1(33.62,88.97) 33.62,86.32 33.92,86.02 U20.18
  POWER3 w0.102: v1(33.62,88.97) 34.58,89.93 45.28,89.93 71.69,63.52 v1(71.69,62.35)
/HPM6E00 FULL PORT MAINENTRY/PA28: length 55.2
  Top w0.102: U20.19 33.84,85.52 33.26,86.1 v1(33.26,88.31) ; U2.M4 v1(71.69,61.56)
  POWER3 w0.102: v1(71.69,61.56) 71.29,61.97 71.29,63.19 44.92,89.55 35.25,89.55 34,88.31 33.44,88.31
/HPM6E00 FULL PORT MAINENTRY/PA29: length 59.5
  Top w0.102: v1(32.91,88.97) 32.91,85.84 33.73,85.02 U20.20 ; U2.M5 72.09,60.35 v1(71.69,60.75)
  POWER3 w0.102: v1(32.91,88.97) 34.23,90.29 45.68,90.29 72.08,63.9 72.08,61.13 v1(71.69,60.75)
/HPM6E00 FULL PORT MAINENTRY/PA30: length 103.9
  Top w0.102: U20.23 v1(33.59,83.52) 33.16,83.52 R163.1 ; R183.1 33.16,45.83 U22.23 ; R173.1 33.16,64.68 v1(33.29,64.68) U21.23 ; v1(72.51,61.56) 72.9,61.17 U2.L4
  POWER3 w0.102: v1(72.51,61.56) 72.33,61.74 72.33,64.38 46.04,90.67 v1(34.08,90.67)
  Bottom w0.102: 33.64,64.68 33.64,46.01 v1(33.47,45.84) ; 33.64,64.68 33.3,64.68 v1(33.29,64.68) ; 33.64,64.68 33.64,88.46 34.08,88.89 v1(34.08,90.67)
/HPM6E00 FULL PORT MAINENTRY/PA31: length 106.9
  Top w0.102: U21.22 32.69,65.18 R174.1 32.53,65.17 v1(32.5,65.19) ; R164.1 32.69,84.02 v1(33.19,84.02) U20.22 ; U2.L5 v1(72.51,60.75) ; U22.22 32.69,46.33 R184.1
  POWER3 w0.102: v1(72.51,60.75) 72.91,61.15 72.91,61.74 72.61,62.04 72.61,64.84 46.42,91.02 32.58,91.02 v1(32.53,90.97)
  Bottom w0.102: 32.5,84.04 32.52,84.02 v1(33.19,84.02) ; 32.5,84.04 v1(32.5,65.19) 32.5,46.98 v1(33.14,46.34) ; 32.5,84.04 32.5,90.95 v1(32.53,90.97)
/HPM6E00 FULL PORT MAINENTRY/PB0: length 58.7
  Top w0.102: U23.26 116.74,85.35 118.53,83.56 118.53,81.47 116.8,79.75 115.83,79.75 arc(115.65,79.82) 115.58,80 arc(115.5,80.17) 115.33,80.25 115.13,80.25 arc(114.95,80.17) 114.88,80 arc(114.8,79.82) 114.63,79.75 114.43,79.75 arc(114.25,79.82) 114.18,80 arc(114.1,80.17) 113.93,80.25 113.73,80.25 arc(113.55,80.17) 113.48,80 arc(113.4,79.82) 113.23,79.75 113.03,79.75 arc(112.85,79.82) 112.78,80 arc(112.7,80.17) 112.53,80.25 112.33,80.25 arc(112.15,80.17) 112.08,80 arc(112,79.82) 111.83,79.75 88.74,79.75 76.1,67.11 U2.G1